# Allegro board com_v1_p3.brd (continued)
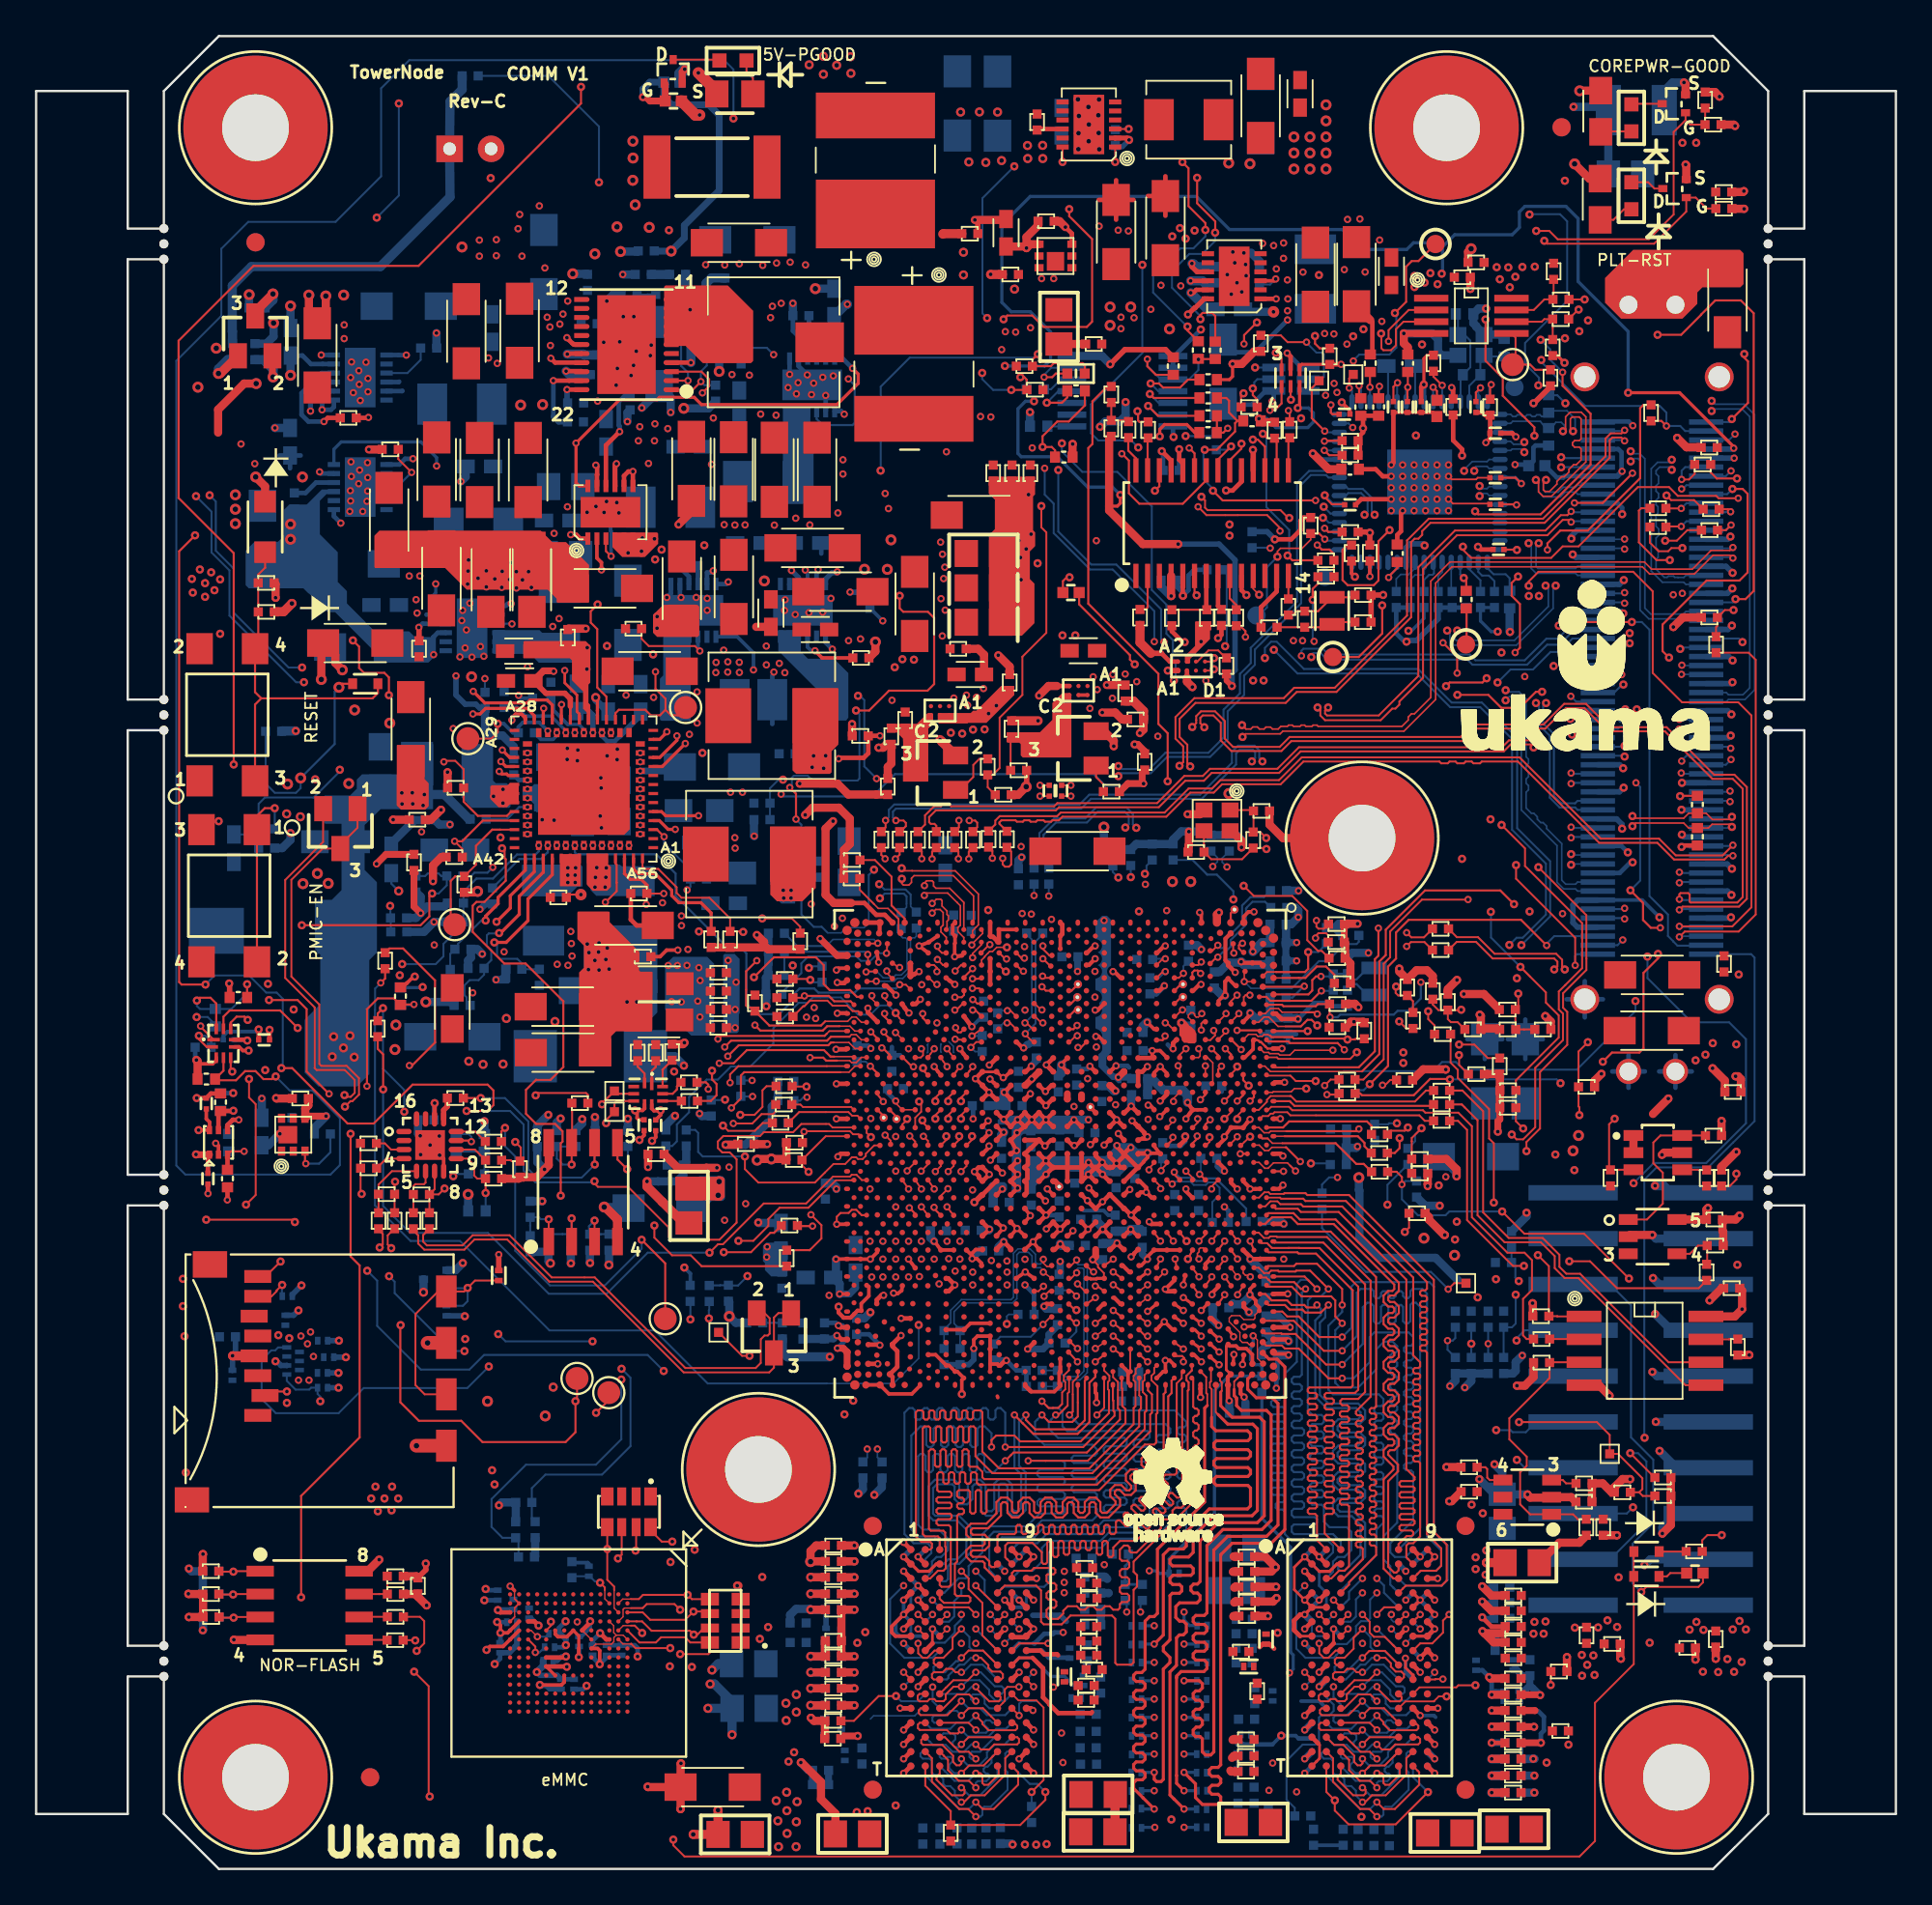
[diagram p0: board, top side]
## Copper pours and planes (outline as drawn; the poured copper is in the pictures) (continued)
SD1_DATA0_V on TOP: 11.54,32.1 12.99,32.1 13.47,32.58 13.79,32.58 13.92,32.45 13.92,31.79 13.5,31.37 11.53,31.37 11.53,32.09
SD1_DATA1_V on TOP: 11.53,32.52 11.53,33.46 11.92,33.85 13.7,33.85 13.78,33.76 13.78,33.25 13.05,32.52 11.73,32.52 11.72,32.53 11.55,32.53
SD1_DATA1_V on L8_SIG4: 13.74,34.08 12.53,34.08 12.27,33.82 12.27,24.95 12.58,24.64 15.61,24.64 16.01,25.05 16.01,25.97 15.72,26.26 15.43,26.26 14.61,25.44 13.53,25.44 12.88,26.09 12.88,32.27 13.93,33.32 13.93,33.9
SD1_DATA2_V on TOP: 11.55,25.5 13.61,25.5 13.74,25.36 14.2,25.36 14.34,25.5 14.34,27.21 14.44,27.31 15.25,27.31 15.39,27.17 15.39,24.65 14.92,24.18 12.15,24.18 11.53,24.79 11.53,25.48
SD1_DATA2_V on BOTTOM: 15.73,27.7 15.73,27.27 15.64,27.18 15.64,27.17 15.56,27.09 15.21,27.09 14.88,26.76 14.38,26.76 14.32,26.82 14.32,27.74 14.37,27.79 15.64,27.79
SD1_DATA3_V on TOP: 11.94,25.88 13.52,25.88 13.8,25.6 14,25.6 14.13,25.73 14.13,26.6 14.06,26.68 12.01,26.68 12.01,26.67 11.94,26.6 11.94,25.89
SD1_DATA3_V on BOTTOM: 16.09,28.61 16.08,28.62 15.25,28.62 14.92,28.28 14.34,28.28 14.34,28.28 14.34,28.04 14.34,28.03 16.06,28.03 16.09,28.06
SD1_DATA3_V on L3_SIG1: 13.38,25.65 13.38,27.77 14.31,28.7 15.55,28.7 15.71,28.54 15.71,27.81 15.54,27.63 14.53,27.63 14.2,27.31 14.2,26.84 14.45,26.6 14.45,25.66 14.3,25.51 13.52,25.51
UNNAMED_49_IDTP9147_I1_LX1 on TOP (solid shape): 34.47,74.03 34.47,73.46 33.74,72.72 32.48,72.72 31.94,73.26 31.94,74.09 31.94,74.09 34.41,74.09
UNNAMED_49_IDTP9147_I1_LX1 on BOTTOM: 32.62,72.71 33.79,72.71 34.39,73.32 34.39,75.27 34.8,75.68 34.8,76.91 34.65,77.06 32.74,77.06 32.54,76.85 32.54,72.79
UNNAMED_49_IDTP9147_I2_LX1 on BOTTOM (solid shape): 42.9,81.07 42.9,80.24 43.08,80.06 43.08,75.74 43,75.66 41.46,75.66 41.38,75.74 41.38,81.05 41.48,81.15 42.83,81.15
UNNAMED_50_IDTP9147_I7_LX1 on BOTTOM (solid shape): 28.15,68.42 30.08,68.42 30.08,66.86 27.86,66.86 27.37,67.36 25.35,67.36 25.3,67.41 25.3,68.63 25.35,68.68 27.89,68.68
UNNAMED_50_IDTP9147_I11_LX1 on BOTTOM: 19.08,82.6 22.71,82.6 22.94,82.37 22.94,80.03 22.79,79.88 20.09,79.88 19,80.97 19,82.52
UNNAMED_50_IDTP9147_I54_LX1 on BOTTOM: 19.1,76.52 20.6,76.52 21.08,76.04 23.26,76.04 23.72,75.58 23.72,73.17 23.66,73.11 22.08,73.11 20.44,74.75 19.31,74.75 19.03,75.03 19.03,76.45
UNNAMED_51_IDTP9147_I7_LX1 on BOTTOM (solid shape): 42.38,67.48 42.77,67.09 44.21,67.09 45.01,66.29 45.01,63.81 44.88,63.67 43.28,63.67 43.23,63.72 43.23,65.42 41.12,67.53 41.12,68.68 42.38,68.68
UNNAMED_51_IDTP9147_I49_LX1 on TOP: 69.26,90.37 67.61,90.37 67.51,90.27 67.51,88.4 67.51,88.4 69.29,88.4 69.41,88.52 69.41,90.22
UNNAMED_51_IDTP9147_I49_LX1 on BOTTOM: 68.3,90.6 72.47,90.6 72.6,90.47 72.6,89.25 72.21,88.87 69.65,88.87 69.65,88.42 69.65,88.41 69.62,88.39 68.47,88.39 68.42,88.43 68.42,89.18 67.68,89.92 67.68,90.22 67.74,90.29 68,90.29
UNNAMED_119_CHOKE_I17_INA on TOP (solid shape): 39.74,86.37 39.74,83.6 39.61,83.47 36.95,83.47 35.99,84.42 34.88,84.42 34.8,84.5 34.8,87.7 34.88,87.78 38.33,87.78
UNNAMED_127_IDTP9145R1P15_I1__2 on TOP: 34.76,59.02 33.94,59.02 33.93,59.02 33.93,59.7 33.93,59.7 35.56,59.7 36.02,60.17 37.26,60.17 38.36,59.07 38.36,54.83 38.28,54.76 35.84,54.76 35.84,58.52 35.64,58.72 35.06,58.72
UNNAMED_127_IDTP9145R1P15_I1_V1 on TOP: 36.22,60.75 35.44,59.96 34.52,59.96 34.42,60.07 33.96,60.07 33.96,60.67 33.99,60.7 34.62,60.7 35.19,61.27 35.42,61.27 37.09,62.94 37.09,65.45 39.63,65.45 39.63,61.44 38.94,60.75
UNNAMED_127_IDTP9145R1P15_I1_VC on TOP (solid shape): 31.7,56.26 31.7,55.7 31.85,55.54 31.85,54.43 31.64,54.22 30.85,54.22 30.56,54.51 30.56,54.53 30.51,54.58 30.51,56.28 31.68,56.28
UNNAMED_127_IDTP9145R1P15_I1_VC on BOTTOM (solid shape): 32.46,55.57 34.22,55.57 34.27,55.52 34.27,53.94 31.04,53.94 30.72,54.26 30.72,55.59 30.81,55.67 32.36,55.67
UNNAMED_127_IDTP9145R1P15_I1_VD on TOP (solid shape): 26.75,59.02 26.27,59.02 26.09,58.85 25.63,58.85 25.17,59.3 25.17,60.01 25.25,60.08 26.13,60.08 26.25,60.2 26.75,60.2
UNNAMED_127_IDTP9145R1P15_I1_VD on BOTTOM (solid shape): 23.66,62.35 25.31,62.35 25.31,60.35 25.47,60.19 26.07,60.19 26.29,59.97 26.29,58.9 26.21,58.82 24.15,58.82 23.57,59.4 23.57,62.3 23.64,62.36
UNNAMED_127_IDTP9145R1P15_I1_VN on TOP (solid shape): 30.19,56.26 30.19,54.48 29.02,54.48 29.02,54.48 29.02,56.25 29.03,56.26
UNNAMED_127_IDTP9145R1P15_I1_VN on BOTTOM (solid shape): 30.28,55.57 30.28,54.45 30,54.45 29.47,53.92 26.93,53.92 26.93,55.67 30.18,55.67
UNNAMED_127_IDTP9145R1P15_I1_VN on TOP, BOTTOM, L3_SIG1, L4_PWR1, L5_SIG2, L6_SIG3, L7_PWR2, L8_SIG4: 29.26,55.69 29.26,54.58 29.36,54.48 29.98,54.48 30.07,54.58 30.07,55.61 29.97,55.71 29.28,55.71
UNNAMED_263_CAPN_I91_A on TOP (solid shape): 57.37,65.11 57.37,61.65 57.33,61.61 54.68,61.61 54.56,61.73 54.56,62.35 54.49,62.43 53.82,62.43 53.78,62.48 53.78,62.99 53.8,63.01 55.63,63.01 56.31,63.7 56.31,64.63 56.87,65.19 57.3,65.19
UNNAMED_263_CAPN_I111_A on TOP (solid shape): 49.71,64.03 49.71,63.48 49.44,63.21 49.44,60.35 49.37,60.28 48.05,60.28 48.04,60.28 48.04,62.45 48.03,62.66 47.69,63 47.14,63 47.14,63.48 48.81,63.48 49.41,64.08 49.66,64.08
UNNAMED_266_IDTP9147_I38_LX1 on TOP: 63.06,95.82 63.06,98.89 62.79,99.16 59.73,99.16 59.45,98.88 59.45,96.81 60.86,96.81 61.12,96.55 61.12,96.08 61.39,95.81 63.05,95.81
UNNAMED_266_IDTP9147_I44_LX1 on BOTTOM (solid shape): 36.3,68.62 36.3,67.99 36.27,67.96 36.27,63.7 36.22,63.65 34.67,63.65 34.57,63.75 34.57,65.98 34.75,66.16 34.75,68.47 34.93,68.65 36.27,68.65
VNN_S on TOP (solid shape): 28.6,73.55 29.36,73.55 30.64,72.28 30.64,70.21 30.62,70.19 28.88,70.19 28.86,70.22 28.86,70.4 28.35,70.91 23.86,70.91 22.66,72.11 18.79,72.11 18.75,72.16 18.75,73.91 19.03,74.19 27.97,74.19
VNN_S on TOP (solid shape): 55.36,77.17 55.36,76.19 55.25,76.08 55.25,74.2 55.36,74.09 55.36,73.33 55.07,73.03 55.07,71.51 55.32,71.25 55.32,69.06 54.63,68.36 52.82,68.36 52.8,68.38 52.8,73.94 53.13,74.27 53.13,75.9 52.79,76.24 52.79,77.16 52.81,77.18 55.35,77.18
VNN_S on BOTTOM (solid shape): 58.49,41.66 58.51,41.64 58.51,41.61 58.51,41.46 58.51,41.43 58.49,41.41 58.4,41.32 58.09,41.32 58.03,41.26 58.03,40.74 57.82,40.74 54.7,40.74 54.59,40.63 54.59,40.41 54.59,40.41 54.59,39.64 54.59,39.64 54.59,37.54 54.53,37.48 54.11,37.48 54.07,37.52 54.07,38.74 54.08,38.74 54.08,39.51 54.07,39.51 54.07,40.5 54.07,40.51 54.07,41.13 53.94,41.26 53.31,41.26 53.29,41.28 53.29,41.51 53.53,41.76 58.39,41.76
VNN_S on TOP: 52.99,42.13 57.08,42.13 57.38,42.44 58.04,42.44 58.9,41.57 58.9,41.12 58.83,41.04 54.79,41.04 54.51,40.76 54.51,37.61 54.13,37.23 53.72,37.23 53.39,37.56 53.39,40.96 52.94,41.42 52.94,42.08
VNN_S on TOP: 29.7,51.56 29.7,52.55 28.75,53.5 28.75,54.06 28.7,54.11 28.15,54.11 27.83,53.78 27.83,49.98 27.95,49.85 29.79,49.85 29.93,49.99 29.93,51.32
VNN_S on BOTTOM: 29.59,52.47 29.87,52.19 29.87,51.24 29.96,51.15 29.96,49.95 29.86,49.85 28.78,49.85 28.63,50 28.63,50.42 28.43,50.62 26.46,50.62 26.19,50.89 26.19,52.37 26.29,52.47
VNN_S on BOTTOM: 26.04,85.24 24.64,85.24 23.85,86.03 23.85,86.86 23.31,87.4 21.53,87.4 21.4,87.28 21.4,85.97 21.53,85.84 22.18,85.84 22.91,85.11 22.91,83.66 24.26,82.32 24.26,78.76 24.74,78.28 24.74,76.37 25.15,75.97 25.15,73.07 24.77,72.69 24.77,71.01 25.05,70.73 26.88,70.73 27.86,69.75 30.18,69.75 30.41,69.98 30.41,71.56 30.17,71.8 29.49,71.8 29.09,72.21 29.09,73.96 28.7,74.34 28.7,75.53 29.05,75.88 29.05,79.15 28.27,79.93 26.67,79.93 26.32,80.28 26.32,84.96
VNN_S on BOTTOM: 22.46,44.93 22.46,47.01 22.02,47.44 19.84,47.44 19.53,47.14 19.53,45.05 19.99,44.6 22.13,44.6
VNN_S on L4_PWR1: 29.94,53.34 29.94,50.17 29.3,49.53 28.03,49.53 22.95,54.61 21.68,54.61 20.41,53.34 20.41,45.09 19.78,44.45 12.16,44.45 10.89,45.72 10.89,59.69 11.52,60.33 14.7,60.33 16.6,62.23 16.6,70.49 19.14,73.03 26.76,73.03 28.03,71.76 28.03,67.95 27.4,67.31 23.59,67.31 22.95,66.68 22.95,62.87 23.59,62.23 26.76,62.23 27.4,61.6 27.4,57.15 28.67,55.88 28.67,54.61
VNN_S on L4_PWR1: 53.94,40.77 53.83,41.09 53.48,41.14 53.48,41.91 54.7,41.91 56.61,43.82 56.61,48.9 58.51,50.8 58.51,56.52 62.96,60.96 62.96,64.77 60.42,67.31 58.51,67.31 56.61,69.22 54.07,69.22 53.43,69.85 53.43,76.2 54.07,76.84 56.61,76.84 60.42,73.03 65.5,73.03 68.67,69.85 68.67,55.25 65.5,52.07 65.5,49.53 60.06,44.09 59.15,43.18 59.15,40.01 56.61,37.47 54.07,37.47 53.43,38.1 53.43,40.64
VNN_S on L7_PWR2: 29.94,74.93 28.03,73.03 28.03,71.12 27.77,70.86 23.85,70.86 23.59,71.12 23.59,80.65 27.4,84.46 54.7,84.46 55.34,83.82 55.34,73.03 55.12,72.71 55.34,72.39 55.34,71.12 54.7,70.49 52.16,70.49 51.28,71.37 51.28,73.91 47.72,77.47 38.83,77.47 38.02,78.28 37.1,78.28 33.75,74.93
VSFR_SX on BOTTOM (solid shape): 38.99,50.44 38.99,47.43 38.94,47.38 38.94,46.43 38.84,46.32 38.15,46.32 38.08,46.4 38.08,50.64 38.16,50.73 38.7,50.73
VSFR_SX on TOP: 38,50.34 38,46.51 38.18,46.32 38.77,46.32 39,46.55 39,50.51 38.91,50.6 38.26,50.6
VSFR_SX on L3_SIG1: 57.78,34.55 57.23,35.1 57.23,35.83 56.39,36.67 55.87,36.67 55.37,37.17 55.37,40.46 55.7,40.79 56.47,40.79 56.85,41.17 56.85,42.49 56.52,42.82 55.73,42.82 55.58,42.97 55.58,43.35 55.65,43.43 57.51,43.43 58.22,42.71 58.26,42.61 58.21,42.52 58.07,42.27 58.16,42 58.19,41.9 58.13,41.81 58.04,41.35 58.5,41.26 58.63,41.27 58.7,41.16 58.7,40.85 59.74,39.81 59.74,36.77 60.71,35.8 60.89,35.62 60.89,35.03 60.12,34.26 59.69,34.26 59.39,34.56 59.25,34.56 59.23,34.55
VSFR_SX on L3_SIG1: 30.02,68.96 29.66,68.59 29.66,63.01 29.92,62.75 31.99,62.75 32.25,63.01 32.25,65.24 32.67,65.66 32.67,68.69 32.4,68.96
VSFR_SX on L5_SIG2: 30.57,63.25 30.57,60.96 29.3,59.69 27.4,59.69 26.76,59.06 26.76,50.17 27.4,49.53 36.92,49.53 37.56,48.9 47.08,48.9 47.44,48.54 47.44,46 47.72,45.72 55.34,45.72 55.72,45.34 55.72,42.93 55.85,42.8 56.48,42.8 56.86,42.42 56.86,39.88 56.99,39.75 58.51,39.75 58.69,39.93 58.69,42.09 59.15,42.55 59.15,50.17 58.51,50.8 52.16,50.8 51.53,51.44 51.53,55.88 50.89,56.52 41.37,56.52 39.46,58.42 39.46,69.22 38.83,69.85 29.94,69.85 29.3,69.22 29.3,67.95 29.97,67.28 34.01,67.28 35.02,66.27 35.02,62.23 33.75,60.96 33.11,60.96 32.48,61.6 32.48,63.25 32.23,63.5 30.83,63.5
VSFR_SX on L7_PWR2: 29.3,51.44 29.3,48.9 31.21,46.99 36.28,46.99 37.55,48.26 39.46,48.26 40.73,46.99 45.18,46.99 45.81,46.36 45.81,39.37 47.72,37.47 58.51,37.47 60.28,35.7 60.92,35.7 61.05,35.56 61.05,32.93 60.51,32.39 42.64,32.39 42,33.02 42,38.74 41.37,39.37 41.37,42.55 40.73,43.18 23.59,43.18 22.95,43.82 22.95,56.52 23.59,57.15 25.49,57.15 29.94,61.6 29.94,62.37 30.57,63 30.57,63.22 30.86,63.5 31.84,63.5 33.11,62.23 33.11,58.42 34.38,57.15 34.38,56.52
VTT_DDR on TOP: 56.08,1.03 50.48,1.03 50.42,1.08 50.42,1.8 50.43,1.8 56.06,1.8 56.25,1.61 56.25,1.2
VTT_DDR on TOP: 39.04,1.17 39.04,3.5 38.87,3.67 38.48,3.67 38.38,3.77 38.38,5.3 38.38,5.3 41.3,5.3 42.44,4.16 42.44,1.15 42.25,0.96 39.25,0.96
VTT_DDR on BOTTOM: 58.67,3.21 59.58,4.12 59.58,13.03 59.97,13.42 59.97,13.69 60.09,13.81 60.78,13.81 60.84,13.75 60.84,1.72 60.9,1.65 64.59,1.65 64.72,1.77 64.72,13.77 64.58,13.91 64.18,13.91 64.08,14.01 64.08,14.41 63.15,15.34 63.19,15.62 63.19,16.62 63.21,16.64 64.16,16.64 64.4,16.4 64.4,14.85 64.82,14.43 65.29,14.43 65.5,14.23 65.5,14 65.67,13.83 65.68,13.83 65.91,13.59 65.91,1.83 66.17,1.57 72.69,1.57 72.7,1.55 74.43,1.55 74.44,1.54 75.26,1.54 75.38,1.42 75.38,0.77 75.26,0.65 48.39,0.65 48.39,0.65 39.47,0.65 39,1.13 39,5.45 39.24,5.68 40.89,5.68 41.58,5 41.58,4.99 43.4,3.16 43.4,2.1 43.71,1.79 46.4,1.79 46.55,1.65 57.11,1.65
VTT_DDR on L5_SIG2: 32.99,61.59 33.74,61.59 34.38,62.23 34.38,66.04 33.75,66.68 26.76,66.68 25.49,67.95 8.35,67.95 7.73,67.33 7.73,8.87 8.35,8.26 13.43,8.26 17.24,4.45 26.02,4.45 29.21,1.26 40.3,1.26 40.51,1.04 42.82,1.04 43.27,1.5 43.27,5.08 38.83,9.53 21.68,9.53 17.87,13.34 17.87,20.96 13.43,25.4 13.43,60.96 14.7,62.23 21.68,62.23 23.59,64.14 32.48,64.14 32.84,63.78 32.84,61.74
N45963 on TOP: 39.77,92.57 39.75,92.58 39.75,96.09 39.76,96.09 41.25,96.09 43.66,93.69 50.1,93.69 50.83,92.96 50.83,88.11 51.11,87.82 51.87,87.82 51.95,87.74 51.95,83.95 51.94,83.94 45.18,83.94 44.76,83.52 42.06,83.52 42.03,83.55 42.03,85.84 42.61,86.42 42.61,92 42.05,92.57
N27792737 on TOP: 94.99,12.99 95.12,13.12 95.12,15 94.85,15.28 89.6,15.28 89.46,15.13 89.46,13.7 90.17,12.99
N27792737 on BOTTOM: 95.12,15.16 94.86,15.42 89.67,15.42 89.46,15.21 89.46,13.38 89.9,12.94 95.06,12.94 95.12,13
N27792751 on TOP: 87.74,13.14 87.9,13.3 87.9,14.65 87.6,14.95 85,14.95 84.75,14.71 84.75,13.57 85.18,13.14
N27792751 on BOTTOM: 84.51,14.18 84.51,13.43 84.77,13.17 87.81,13.17 87.96,13.32 87.96,15 87.87,15.09 82.72,15.09 82.69,15.06 82.69,14.31 82.81,14.19 84.49,14.19
N28098569 on L6_SIG3: 83.28,82.55 71.85,82.55 71.21,81.92 71.21,72.39 72.48,71.12 82.64,71.12 83.91,72.39 83.91,81.92
GND on TOP: 63.48,50.59 63.39,50.64 63.36,50.74 63.34,50.88 63.26,50.99 63.22,51.09 63.26,51.18 63.31,51.26 63.34,51.34 63.39,51.44 63.49,51.45 63.56,51.45 63.62,51.45 63.72,51.44 63.78,51.34 64.04,51.11 64.31,51.34 64.36,51.44 64.46,51.45 64.61,51.46 64.73,51.54 64.8,51.56 64.84,51.52 64.85,51.5 64.85,51.08 64.83,51.05 64.37,50.59

Small or netless copper shapes (teardrops, artwork), in the pictures only: 1 on BOTTOM

## Text on the board
BOTTOM: SOLDER SIDE
Ref Des/Assembly Bottom: 32 | 17 | 33 | 16 | 2 | 3 | 4 | 48 | 49 | 64 | 19 | 20 | B | ASSEMBLY BOTTOM
Package Geometry/Pastemask Bottom: PASTE MASK BOTTOM
Ref Des/Silkscreen Bottom: SUPERCAP | JTAG | ENB | 2 | 3 | 4 | Ukama Inc. | SILK SCREEN BOTTOM
User.Comments: UNLESS OTHERWISE SPECIFIED | ALL DIMENSIONS ARE IN | INCHES | DATE | MILS | SIZE | SCALE | DRAWING TITLE | PART NUMBER | 1/1 | SHEET | 1  OF | 1 | Rev | SOLDER MASK BOTTOM | SOLDER MASK TOP | CAD | DATA | 10-03-2022 | DO NOT MANUALLY | TOWERNODE COMM V1 | TN-COMM-V1-REVC | D | C | B | A | 8 | 7 | 6 | 5 | 4 | 3 | X | 2
TOP: COMPONENT SIDE
Ref Des/Assembly Top: ASSEMBLY TOP
Package Geometry/Pastemask Top: PASTE MASK TOP
Ref Des/Silkscreen Top: NOR-FLASH | eMMC | 5V-PGOOD | COREPWR-GOOD | PLT-RST | RESET | PMIC-EN | TowerNode | Rev-C | COMM V1 | A | 1 | Ukama Inc. | SILK SCREEN TOP
L2_GND1: L2
L3_SIG1: L3
L4_PWR1: L4
L5_SIG2: L5
L6_SIG3: L6
L7_PWR2: L7
L8_SIG4: L8
L9_GND2: L9
DIMENSION: 14 | 15 | 16
PAGE_OUTLINE: UPDATE
User.12: 9 | 1 | T | A | 60 | 120 | 61 | +
User.13: 10. REQUEST FABRICATOR TO ADD TEAR DROPS IF NOT ADDED IN THE GERBERS. | NOTES: UNLESS OTHERWISE SPECIFIED. | REQUIREMENTS. | 11. COMPARE SUPPLIED IPC-D-356 NETLIST TO SUPPLIED GERBER DATA | PITCH COMPONENTS PADS AND MATTE BLACK COLOR MASK ON REST OF THE BOARD. | 4. SOLDER MASK MATERIAL SHALL MEET ALL THE REQUIREMENTS OF | IPC-SM-840C.ACCEPTED TO HAVE GREEN OR RED COLOUR MASK BETWEEN THE FINE | 6. 100% CONTINUITY TESTING USING DATABASE NETLIST SHALL BE PERFORMED, | VENDOR TO IDENTIFY TEST PASSED IN SECONDARY  SIDE. | 12  CONTROLLED IMPEDANCE: SEE LAYER STACK AND IMPEDANCE CHART. | 7. VENDOR TO MARK DATE CODE AND LOGO  IN ETCH OR IN LEGEND. | 3. SURFACE FINISH:  IMMERSION GOLD | 5. SILK SCREEN LEGEND TO BE APPLIED PER LAYER STACKUP USING WHITE | NON-CONDUCTIVE EPOXY INK. | COPPER: AS PER STACKUP. | 2. MATERIAL:. 370HR | DIELECTRIC:  FR4 PER IPC-4101. | U.L. RATING: 94V-0 MINIMUM | 13.DELIVERY REQUIREMENTS: | 14 SOLDERMASK MUST NOT EXCEED .001 THICKNESS FROM TOP OF COPPER | 15 NO EXPOSED METAL ALLOWED ON TOP SIDE VIA PADS WHERE SHOWN | IMPEDANCE VALUES WHICH MAY BE REQUIRED IN THE DESIGN. NOT | 16 NO SOLDERMASK ALLOWED ON SMT PADS | 17. ALL VIA-IN-PAD TO BE COMPLETELY FILLED, PLANARIZED SMOOTH AND PLATED | NOTE: THE IMPEDANCE CHARTS WILL REFLECT ALL POSSIBLE | ALL VALUES WILL BE PRESENT ON EACH LAYER. | 9. DIELECTRICS AND LINEWIDTHS MAY BE ADJUSTED TO MEET THE IMPEDANCE | 8. BOW AND TWIST SHALL NOT EXCEED 0.7% OF LONGEST SIDE . | 1. FABRICATE PER IPC-6011 AND IPC-6012 CLASS 2. | A. ONE BARE BOARD (SOLDER SAMPLE) AND CROSS-SECTION SHALL BE | B. A TDR REPORT, ONE PER PANEL SHALL ACCOMPANY THE MATERIAL | PRIOR TO FABRICATION. | FEATURE TO TOP OF SOLDERMASK   IN THIS AREA ON TOP SIDE ONLY | INCLUDED WITH EACH BOARD LOT. | SHIPMENT. | OVER ON SURFACE. USE NON-CONDUCTIVE EPOXY FILL MATERIAL. VIA-IN-PAD | MUST INCLUDE WRAP REQUIREMENTS AS PER IPC 6012B.
User.14: 12 | LAYER(S) | 1 AND 10 | 5 AND 6 | 3 AND 8 | FINISHED TRACE | WIDTH (MILS) | 4.60 | 4.20 | 3.00 | 4.70 | 3.449 | 4.40 | 3.60 | 4.30 | SINGLE ENDED IMPEDANCE CHART | 6.80 | 3.90 | 6.40 | 4 | DIFFERENTIAL IMPEDANCE CHART | (EDGE TO EDGE) | TRACE SPACING | 5.40 | 6.70 | 6.10 | 4.80 | 5.80 | 6.90 | 6.00 | REQUIRED IMPEDANCE | 40 OHMS | 50 OHMS | 100 OHMS | 85 OHMS | 90 OHMS | TOLERANCE | +/- 5% | +/- 10% | FAB DRAWING
User.15: DATE:10-03-2022 | CARD REF:TowerNode COMM V1 Rev-C | FILM LAYER: | PART NUMBER:TN-COMM-V1-REVC
User.18: FIGURE | SIZE | 8.0 | 10.0 | 12.0 | 28.0 | 39.37 | 47.244 | 145.669 | 19.685 | DRILL CHART: TOP to BOTTOM | ALL UNITS ARE IN MILS | TOLERANCE | +3.0/-3.0 | PLATED | NON-PLATED | QTY | 2347 | 75 | 99 | 2 | 4 | 6 | 24
User.19: .067 | +.008 | -.006 | .0029 | .0040 | .00660 | .0035 | .01880 | .0066 | PLANE | SIGNAL | LAYER STACKING | SCALE: NONE | LAYER 2 (1.00 OZ) | LAYER 4 (1.00 OZ) | LAYER 5 (1.00 OZ) | LAYER 7 (1.00 OZ) | LAYER 8 (0.50 OZ) | LAYER 9 (1.00 OZ) | LAYER 10(0.50 OZ) | LAYER 3 (0.50 OZ) | LAYER 6 (1.00 OZ) | LAYER 1 (0.50 OZ)
